# Altium PCB DAC_Sources_REV2.PcbDoc (part 1 of 9)
Units mil, origin at the board's own origin, x right, y up, seen from the top; angles counter-clockwise.
Board outline 10905.51 x 5393.7 mil, 8 copper layers (Top Layer, GND_02, SIG_03, PWR_04, PWR_05, SIG_06, GND_07, Bottom Layer), stack 65.69 mil thick; 663 components, 464 nets, 2338 pads, 2140 vias.
Unrouted connection lines stored in the file: 515.
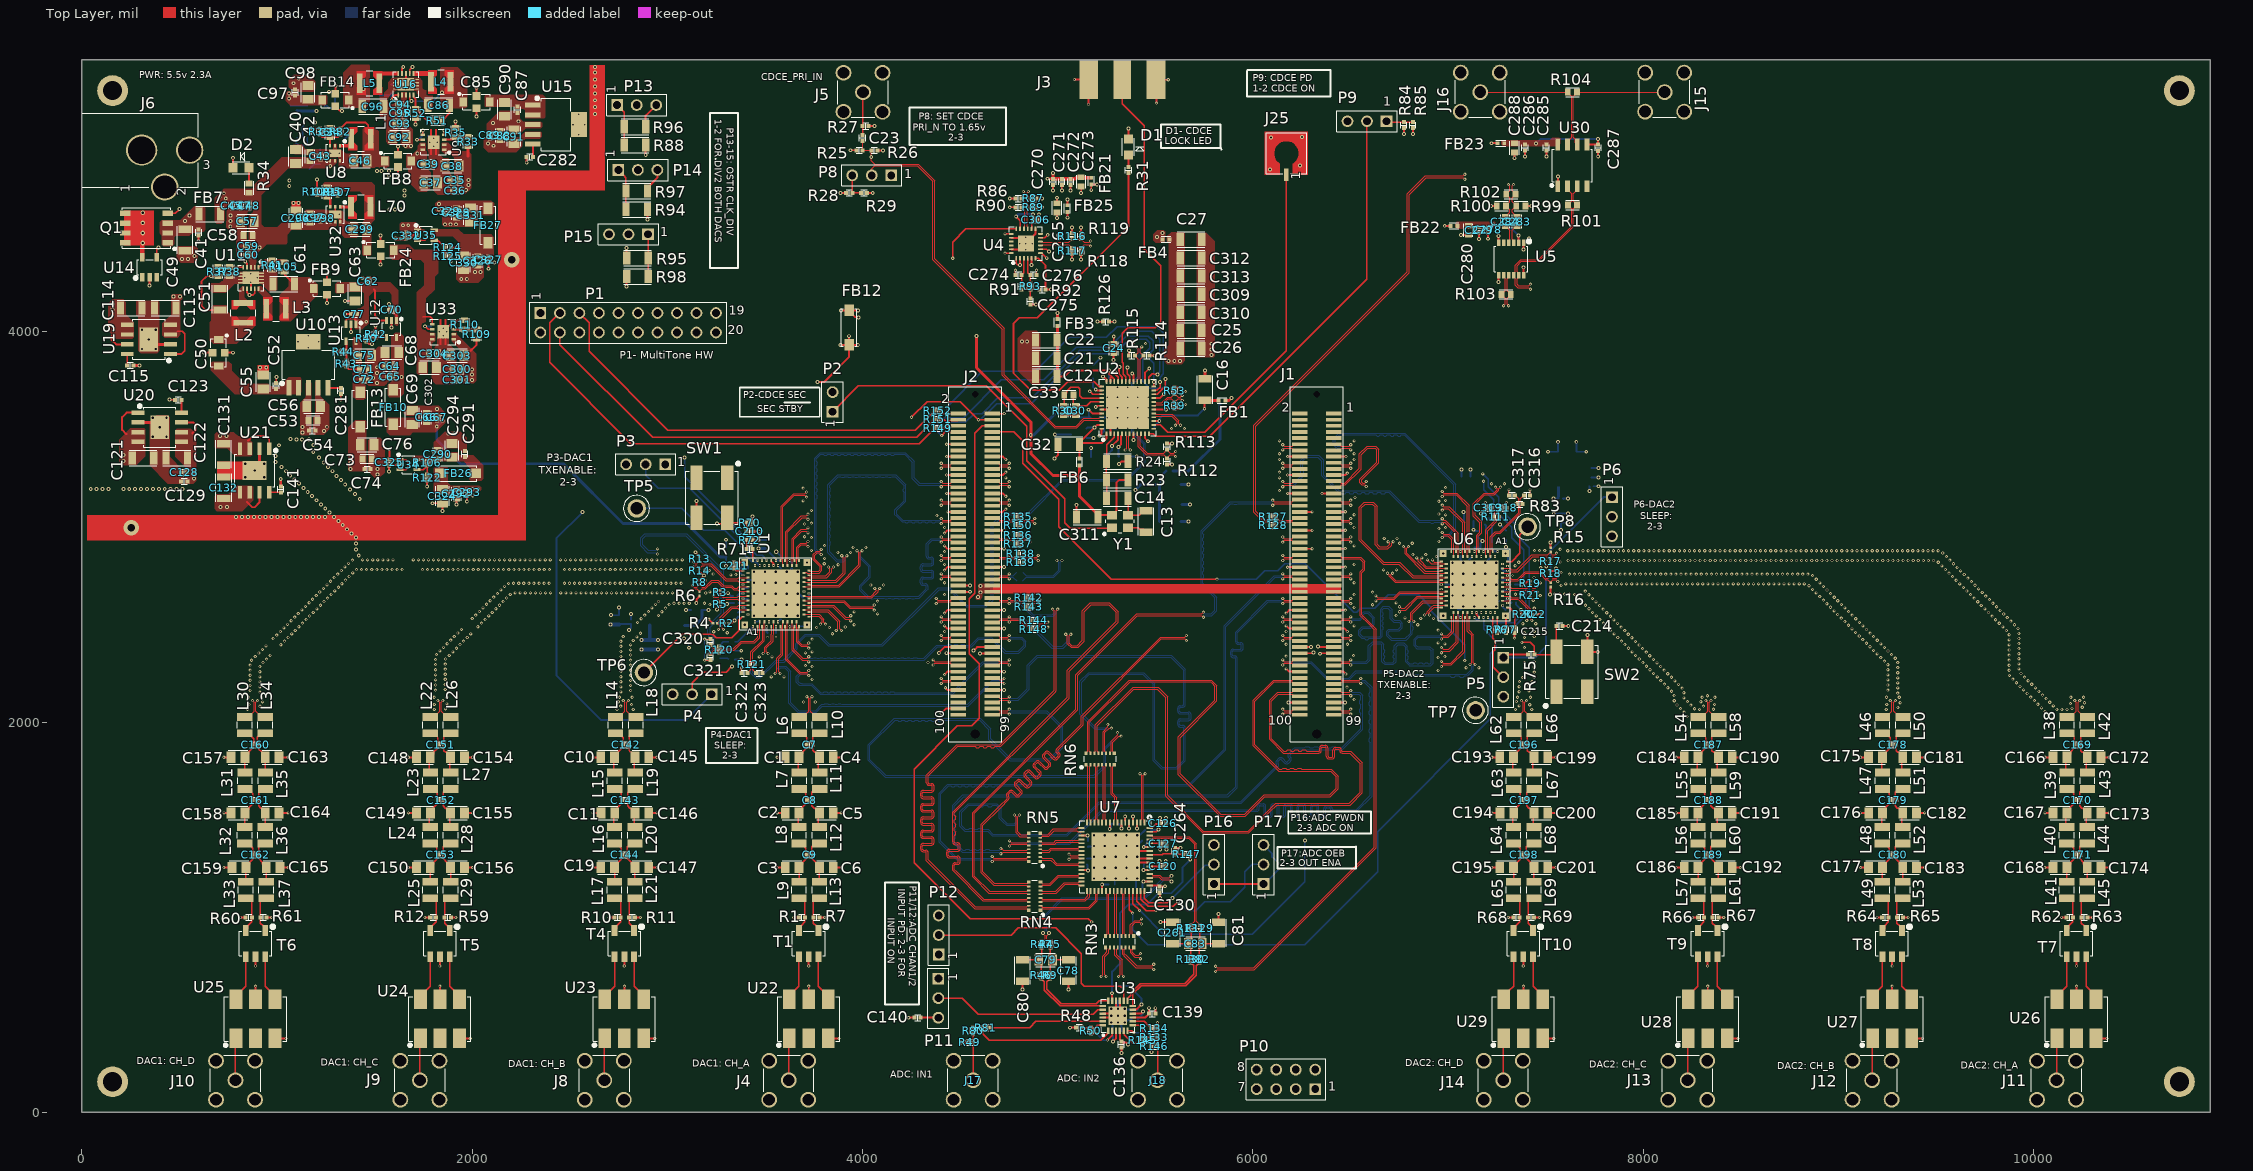
[diagram p0: Top Layer view]
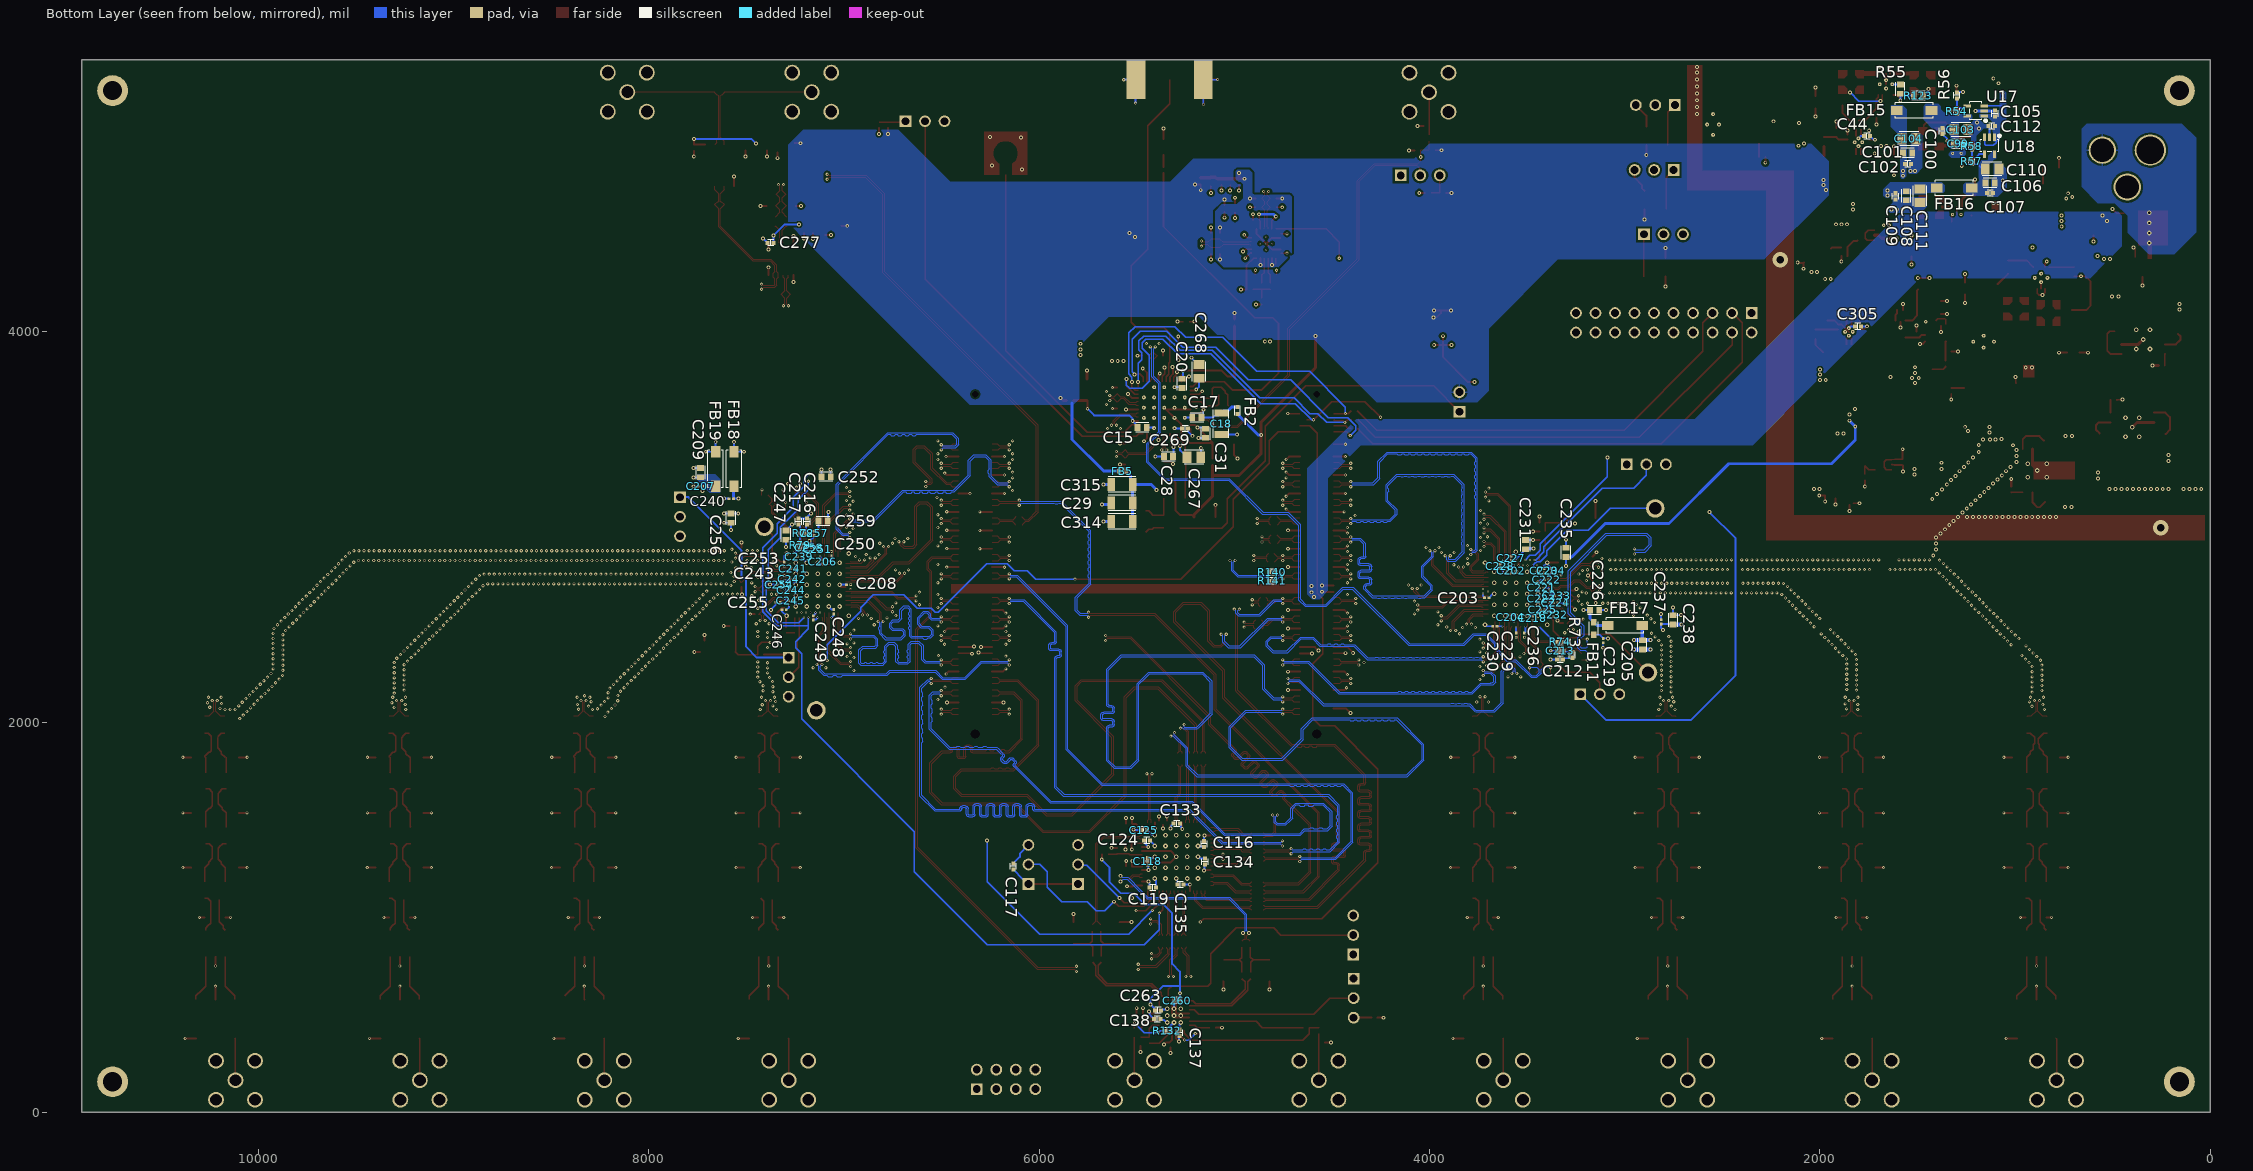
[diagram p1: Bottom Layer view, seen from below]
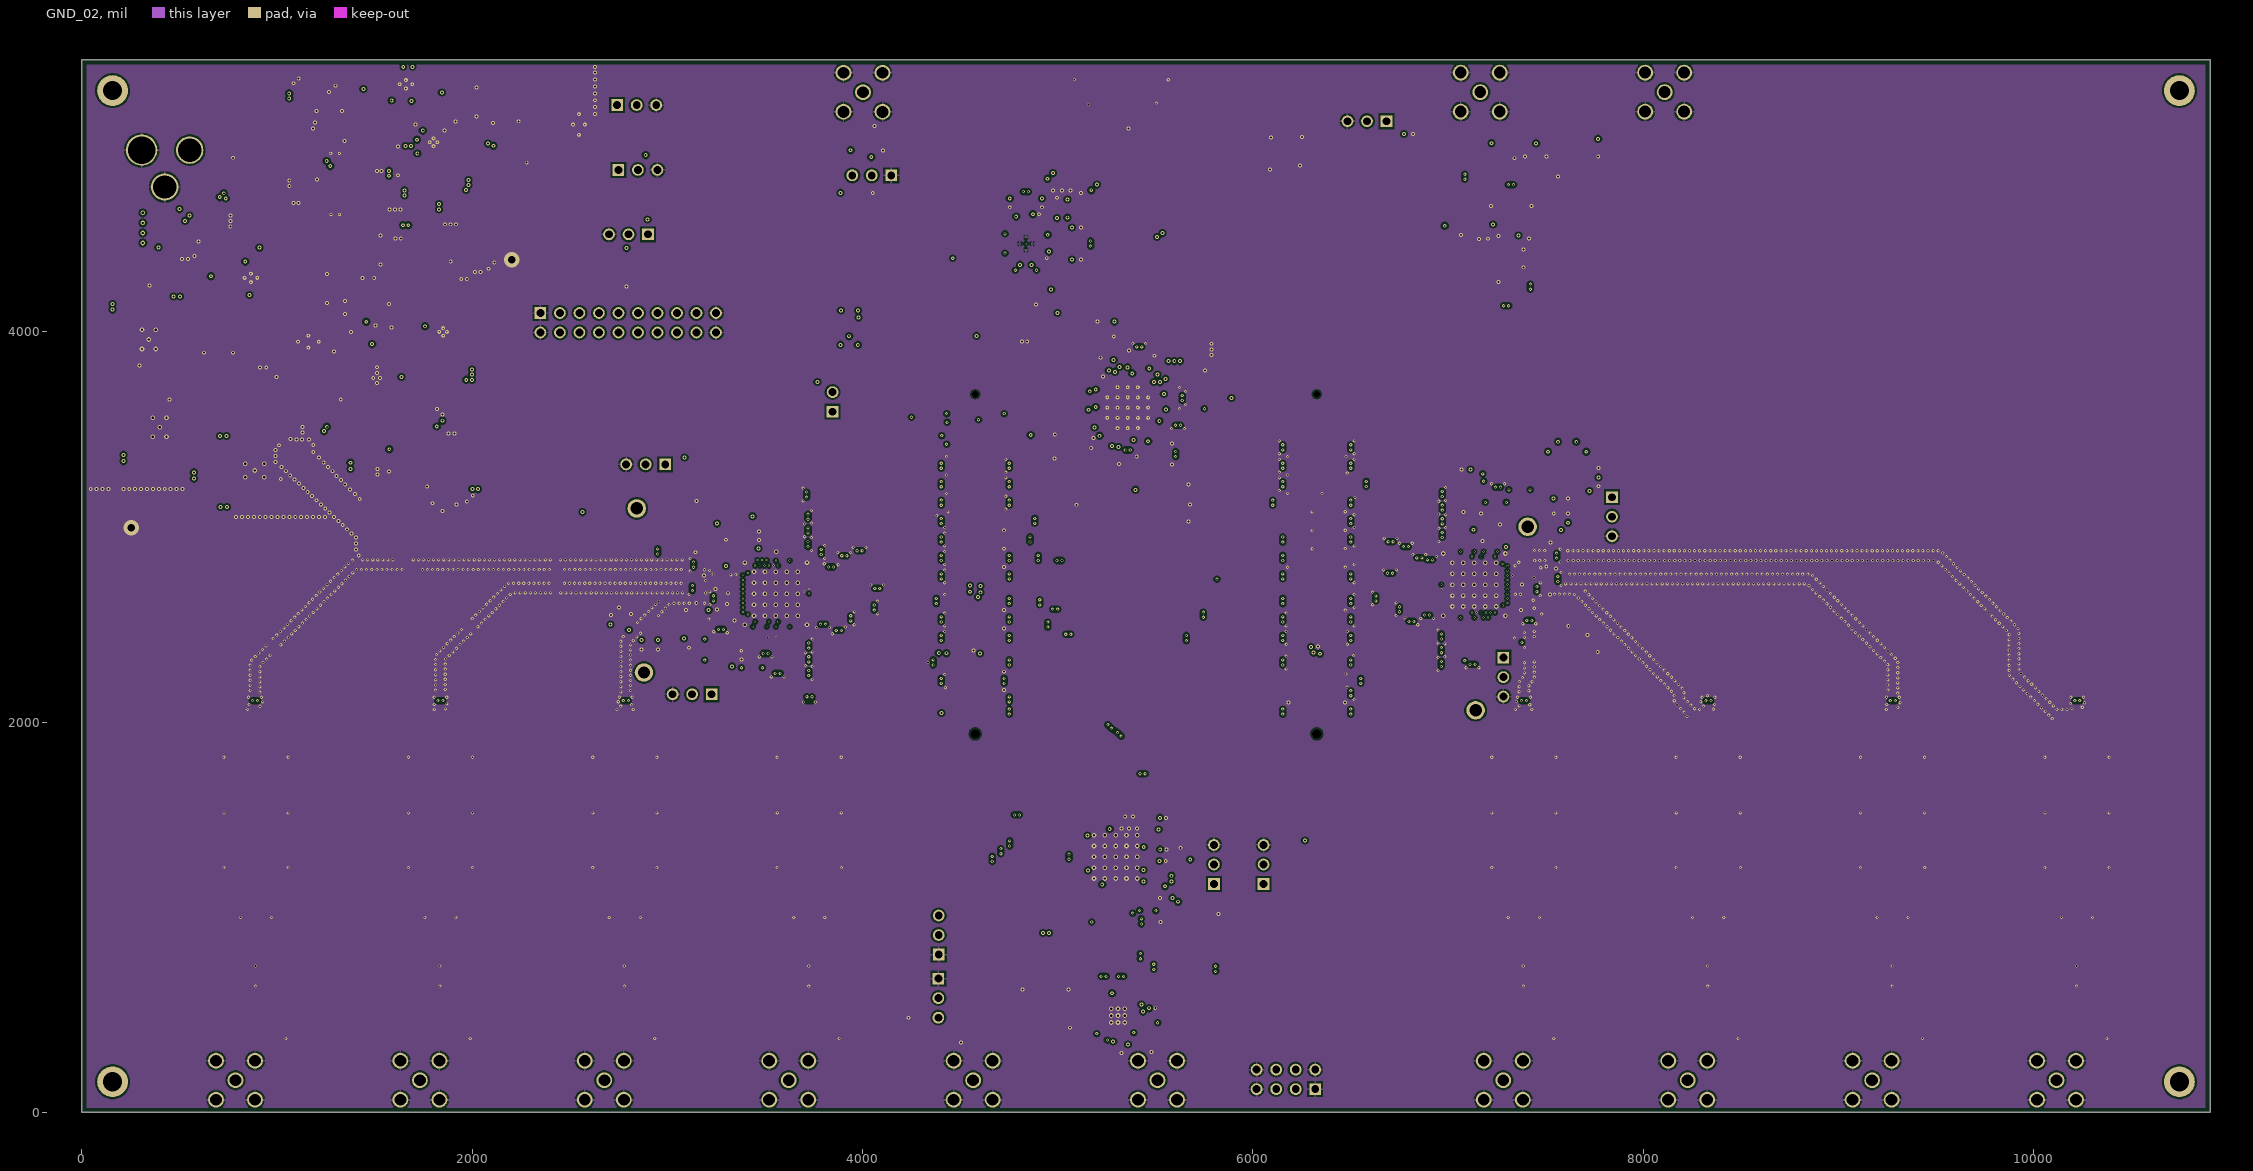
[diagram p2: GND_02]
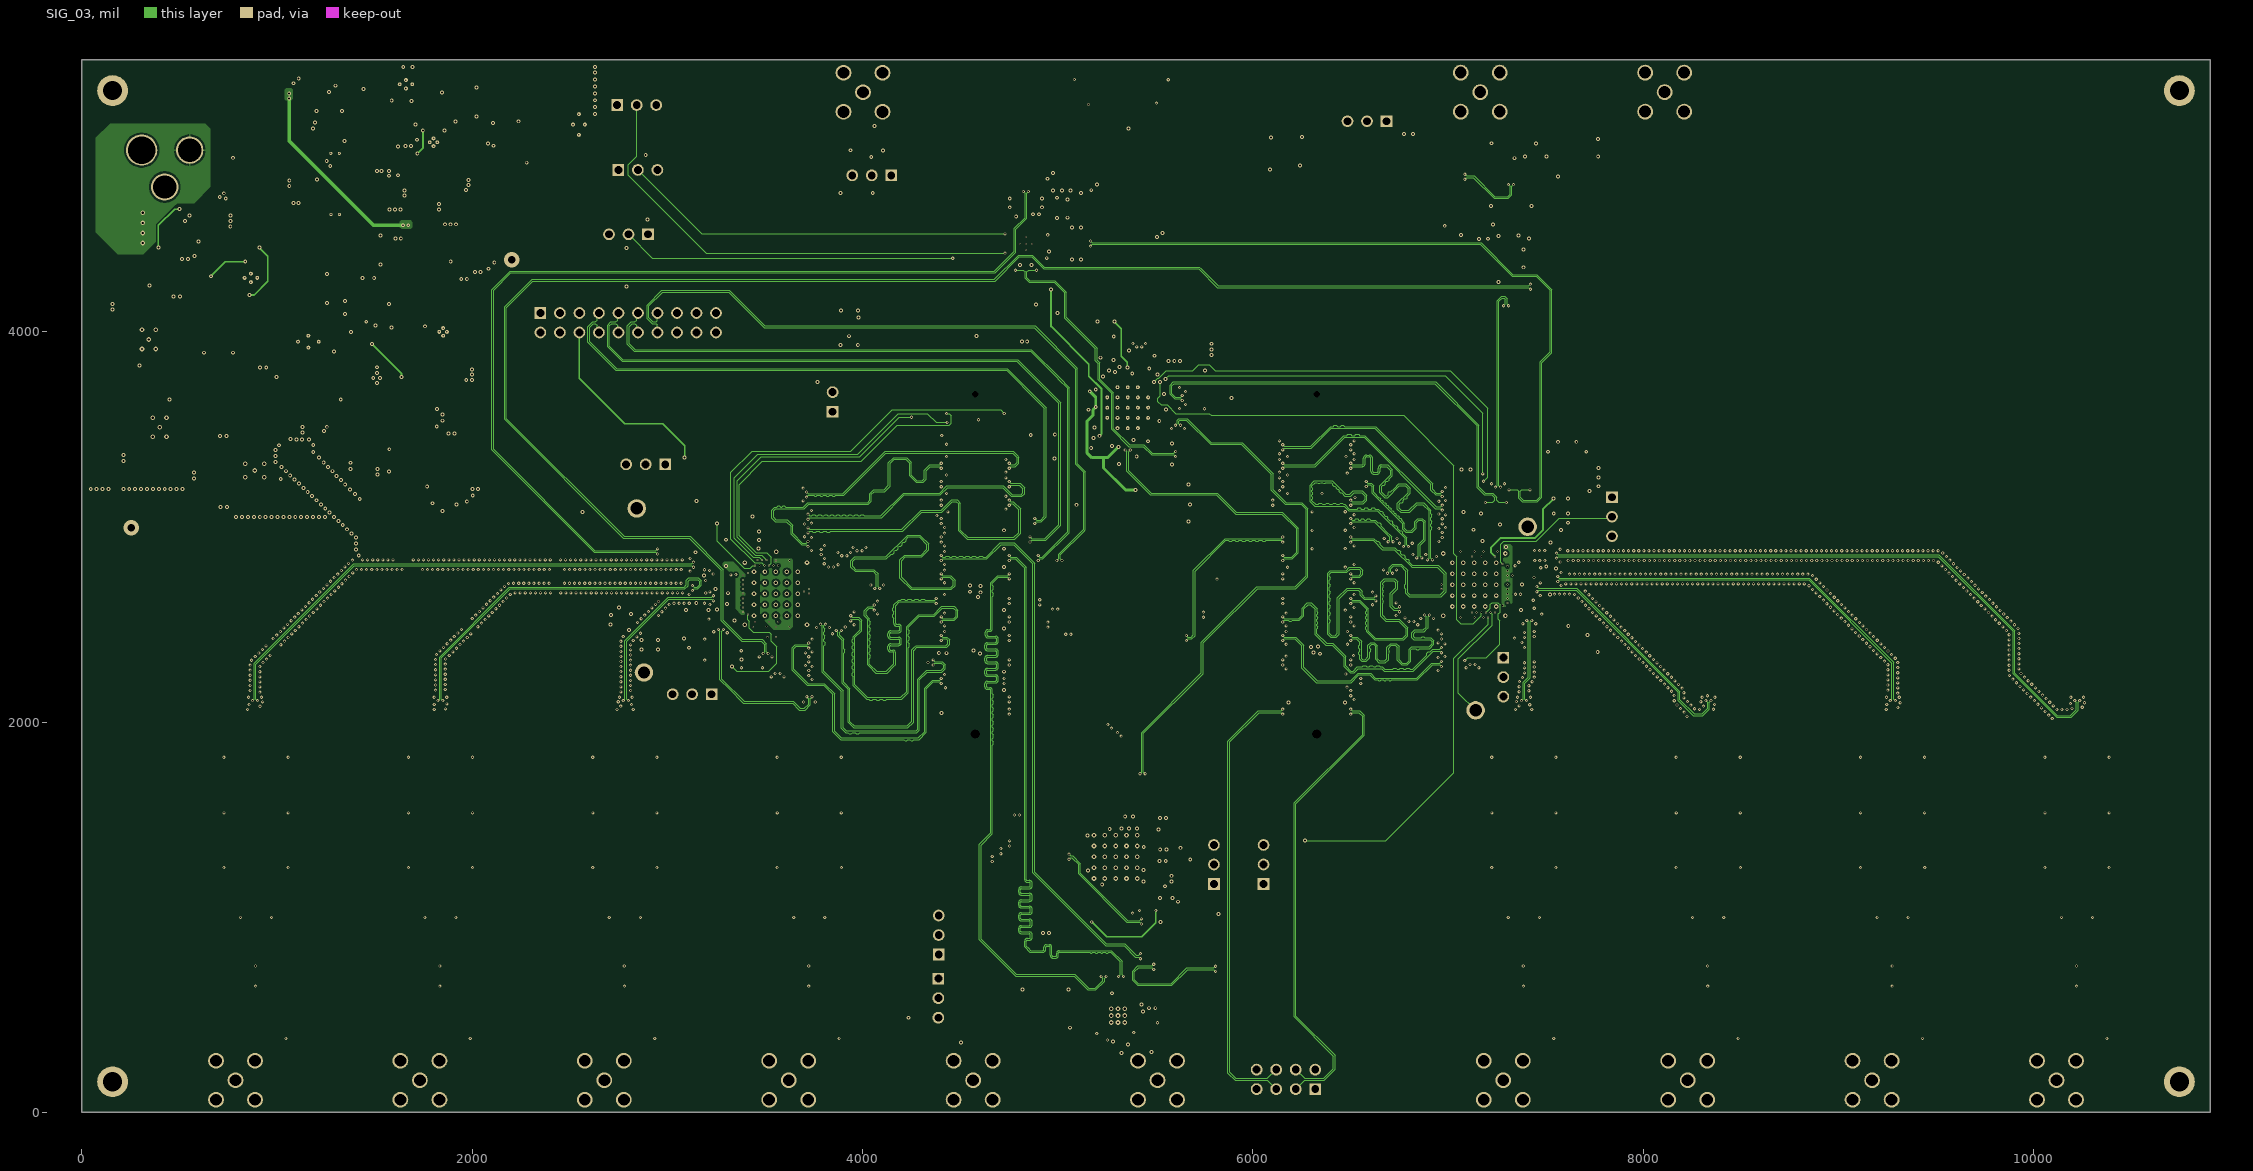
[diagram p3: SIG_03]
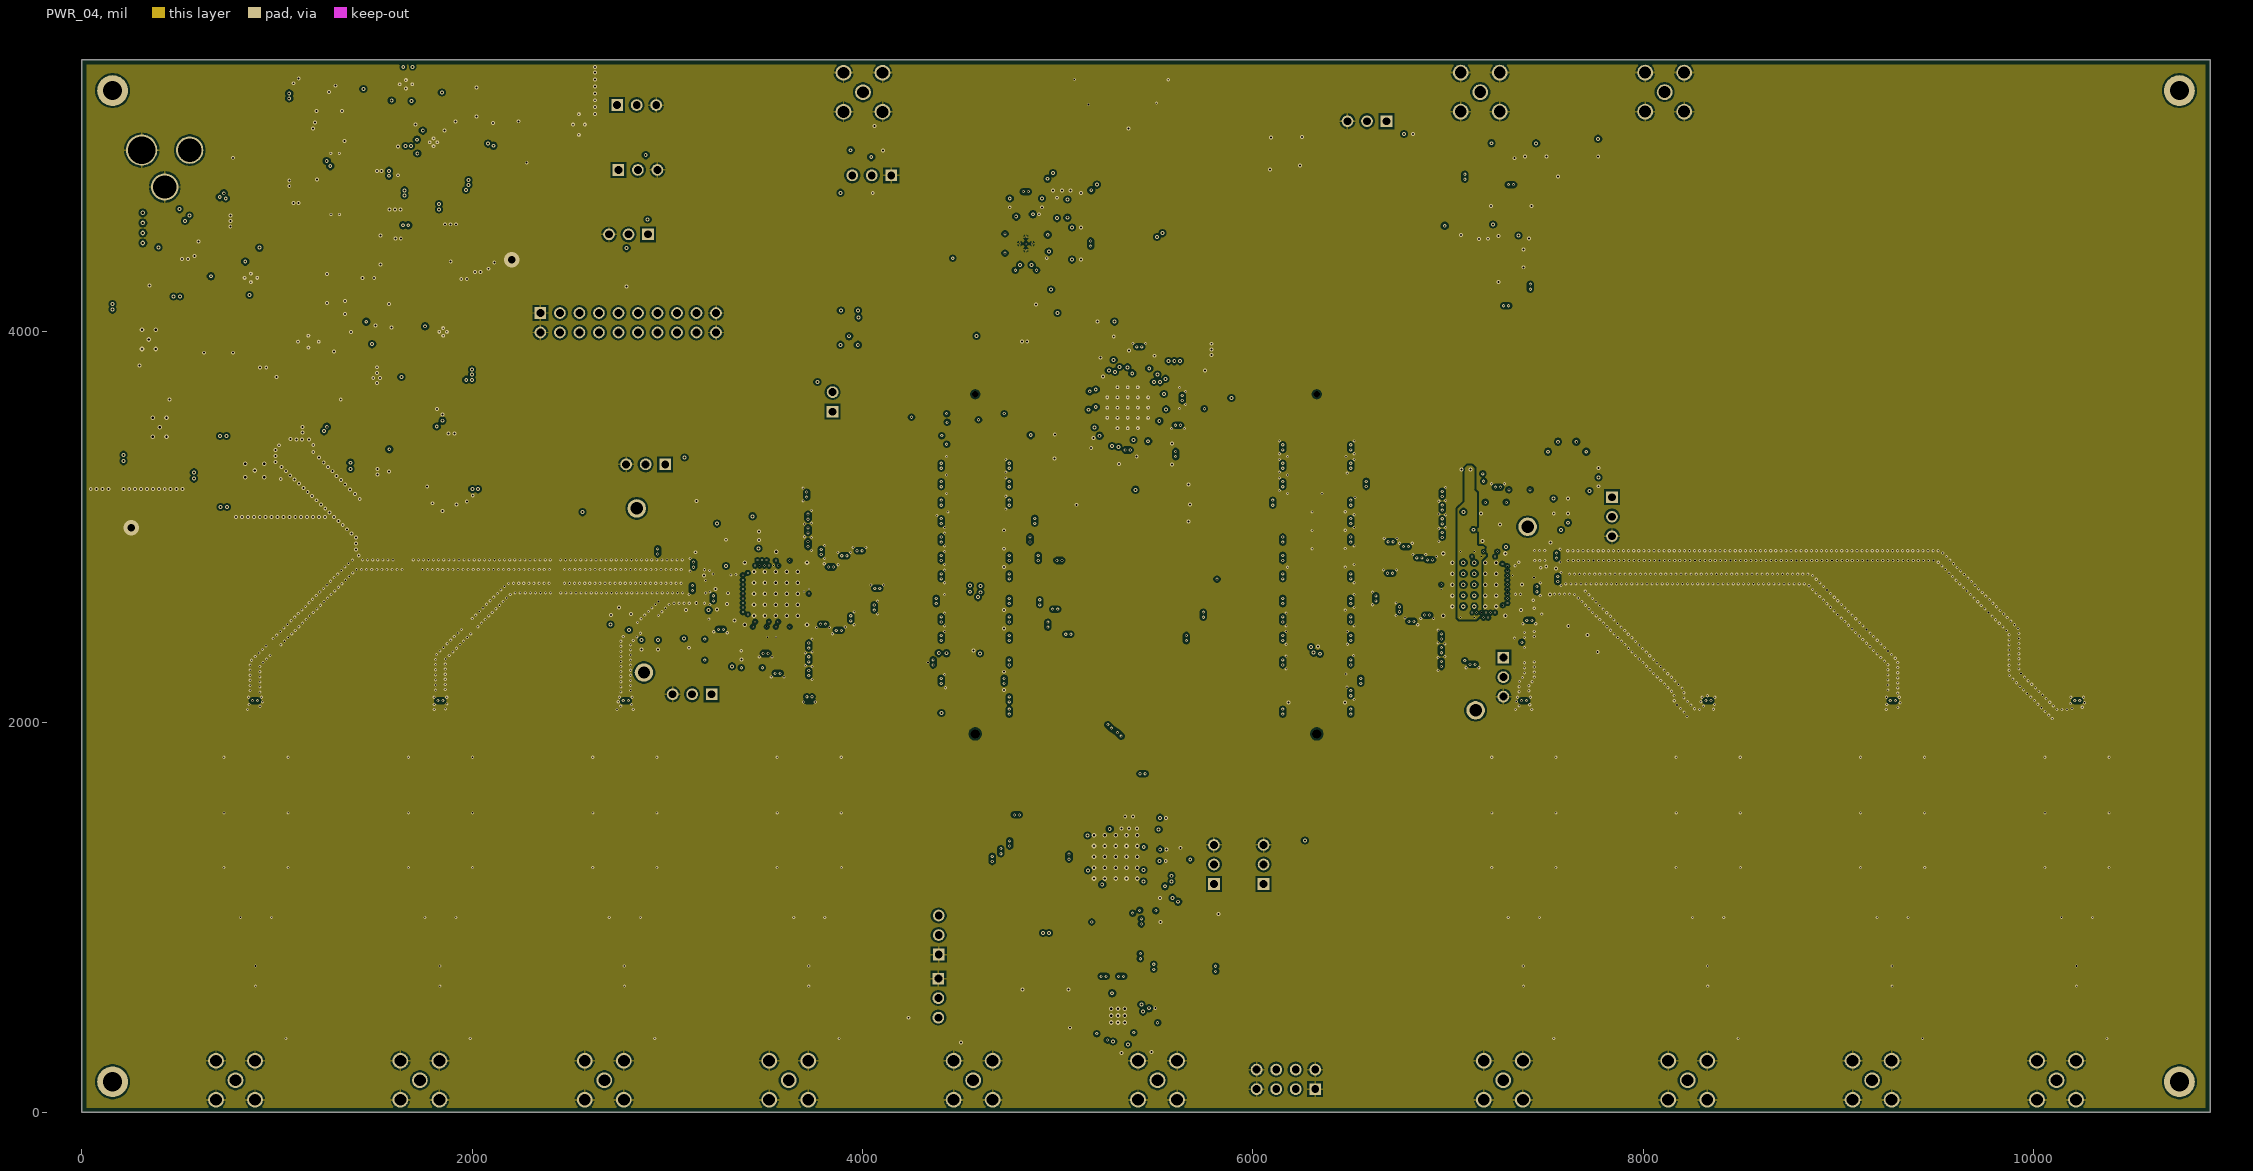
[diagram p4: PWR_04]
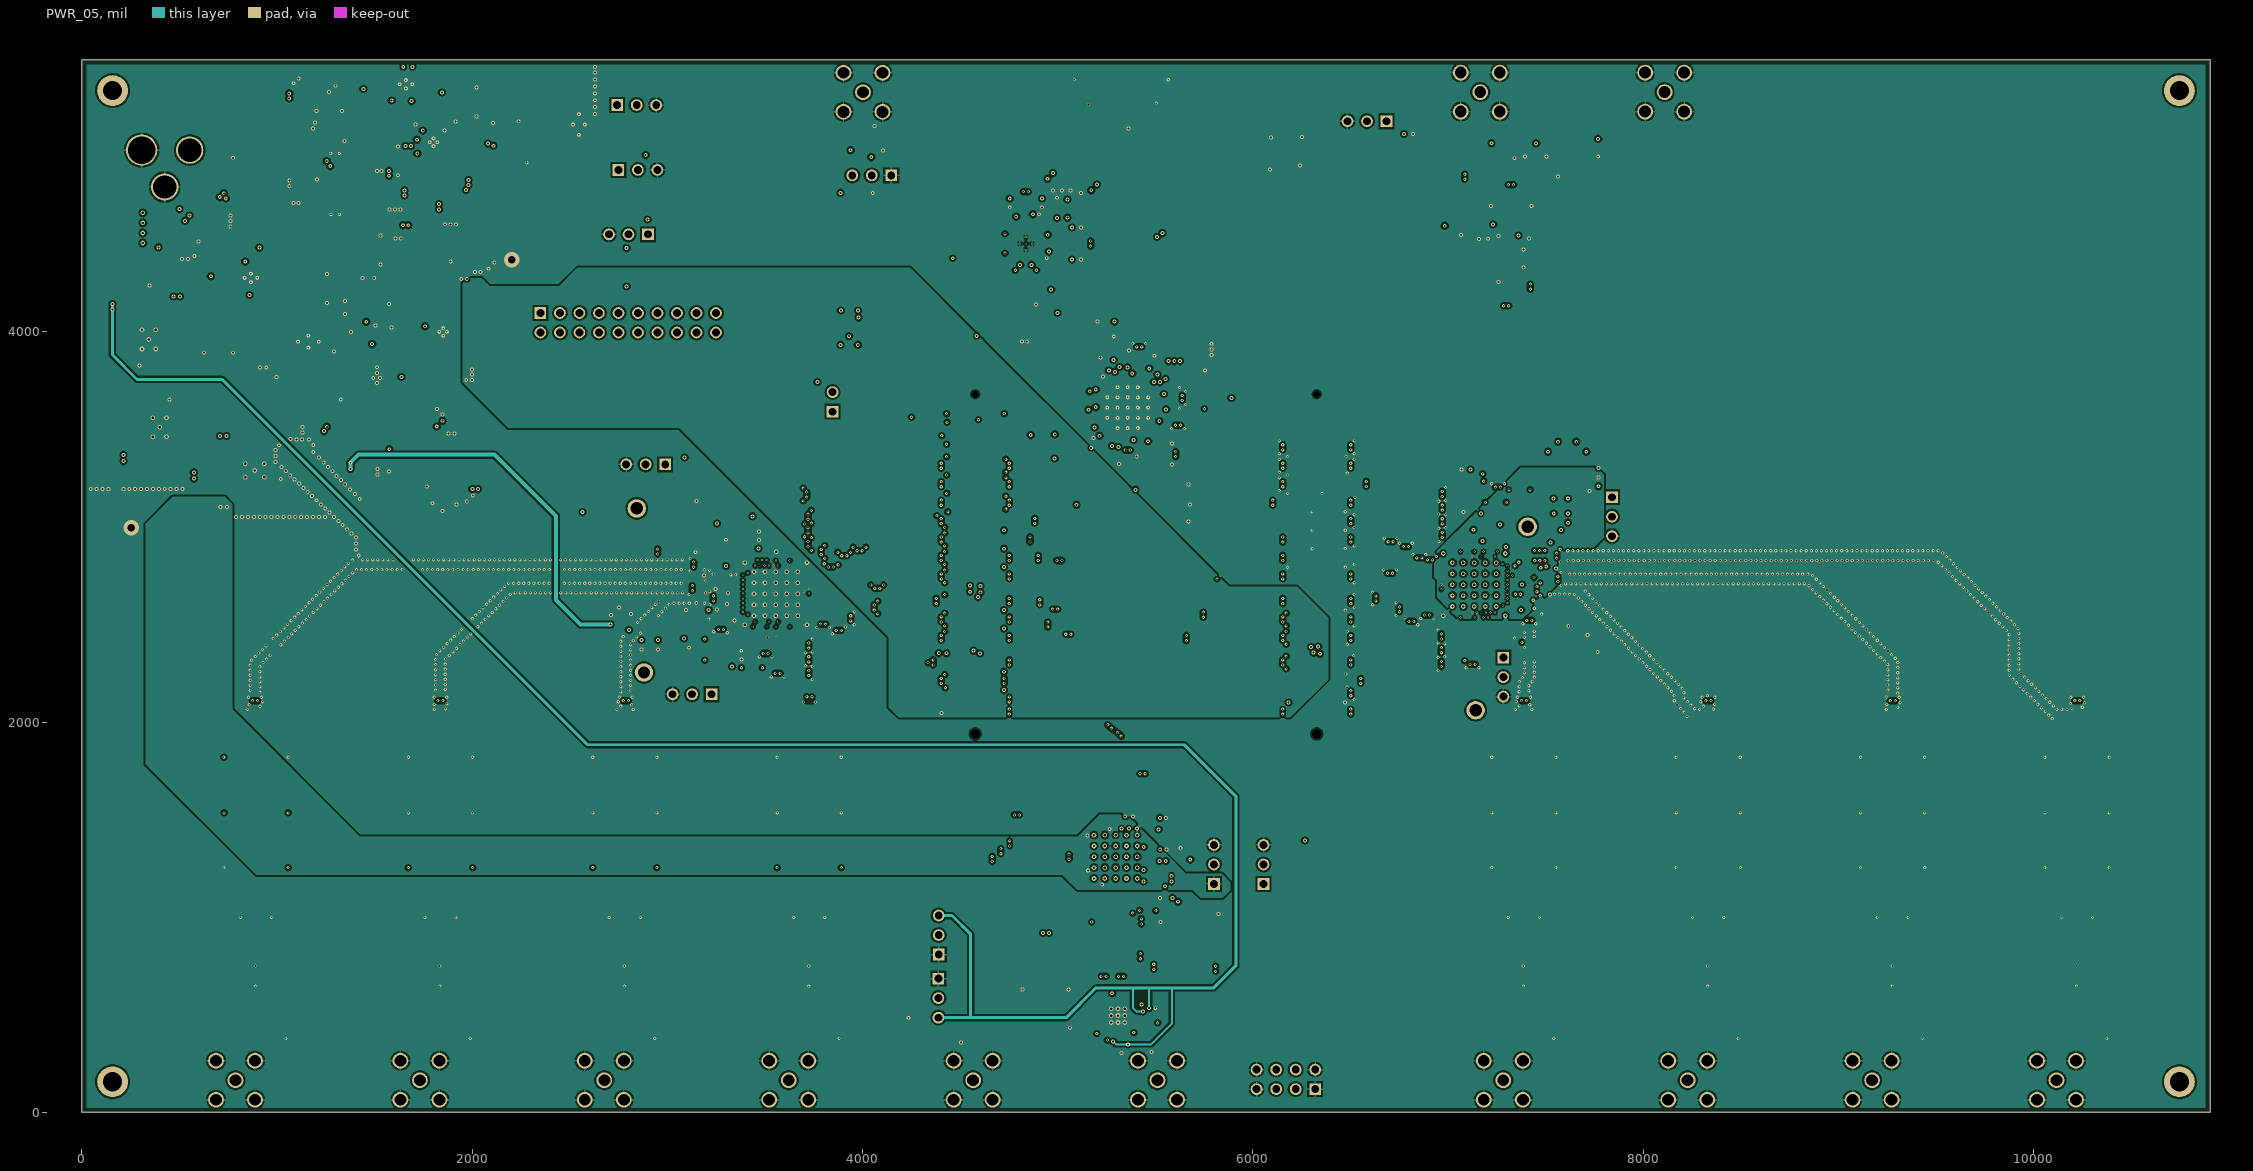
[diagram p5: PWR_05]